# Altium PCB Main.PcbDoc
Units mm, origin at the board's own origin, x right, y up, seen from the top; angles counter-clockwise.
Board outline 100 x 75 mm, 2 copper layers (Top Layer, Bottom Layer); 107 components, 121 nets, 425 pads, 0 vias.
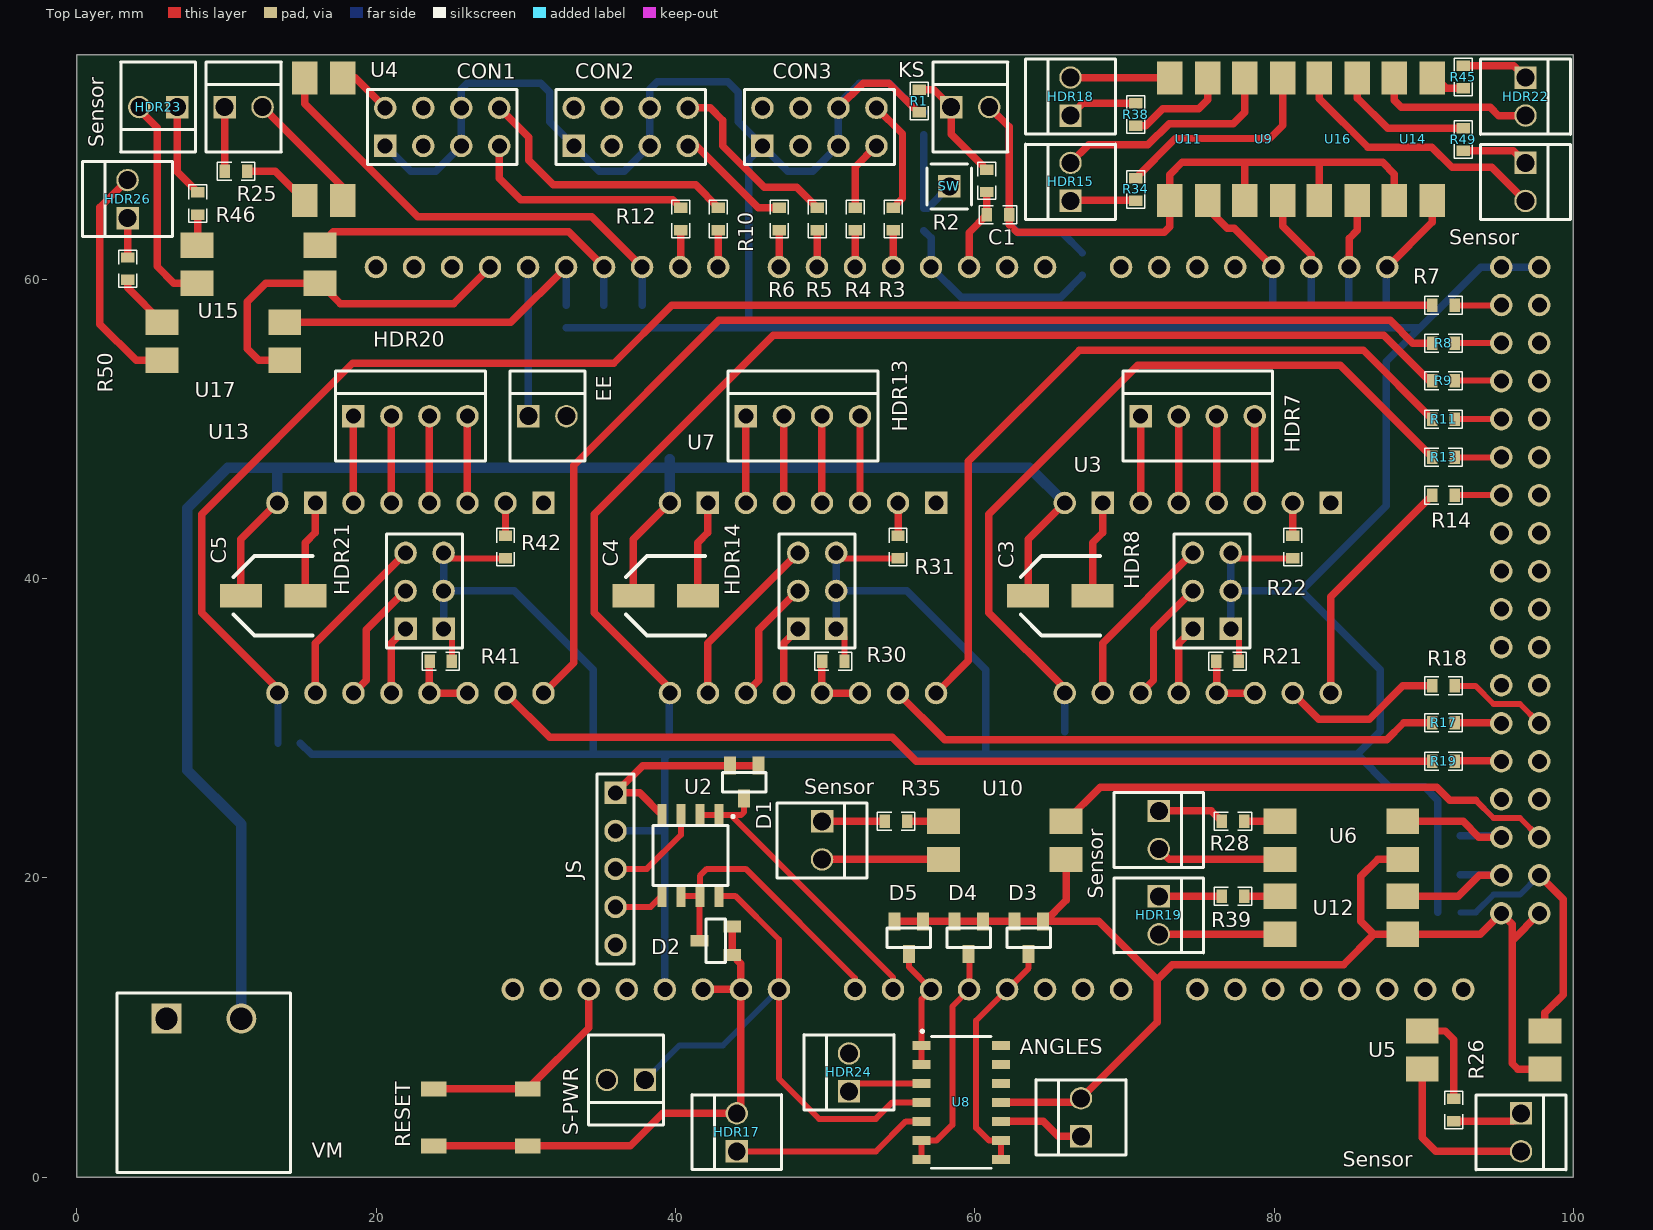
[diagram p0: Top Layer view]
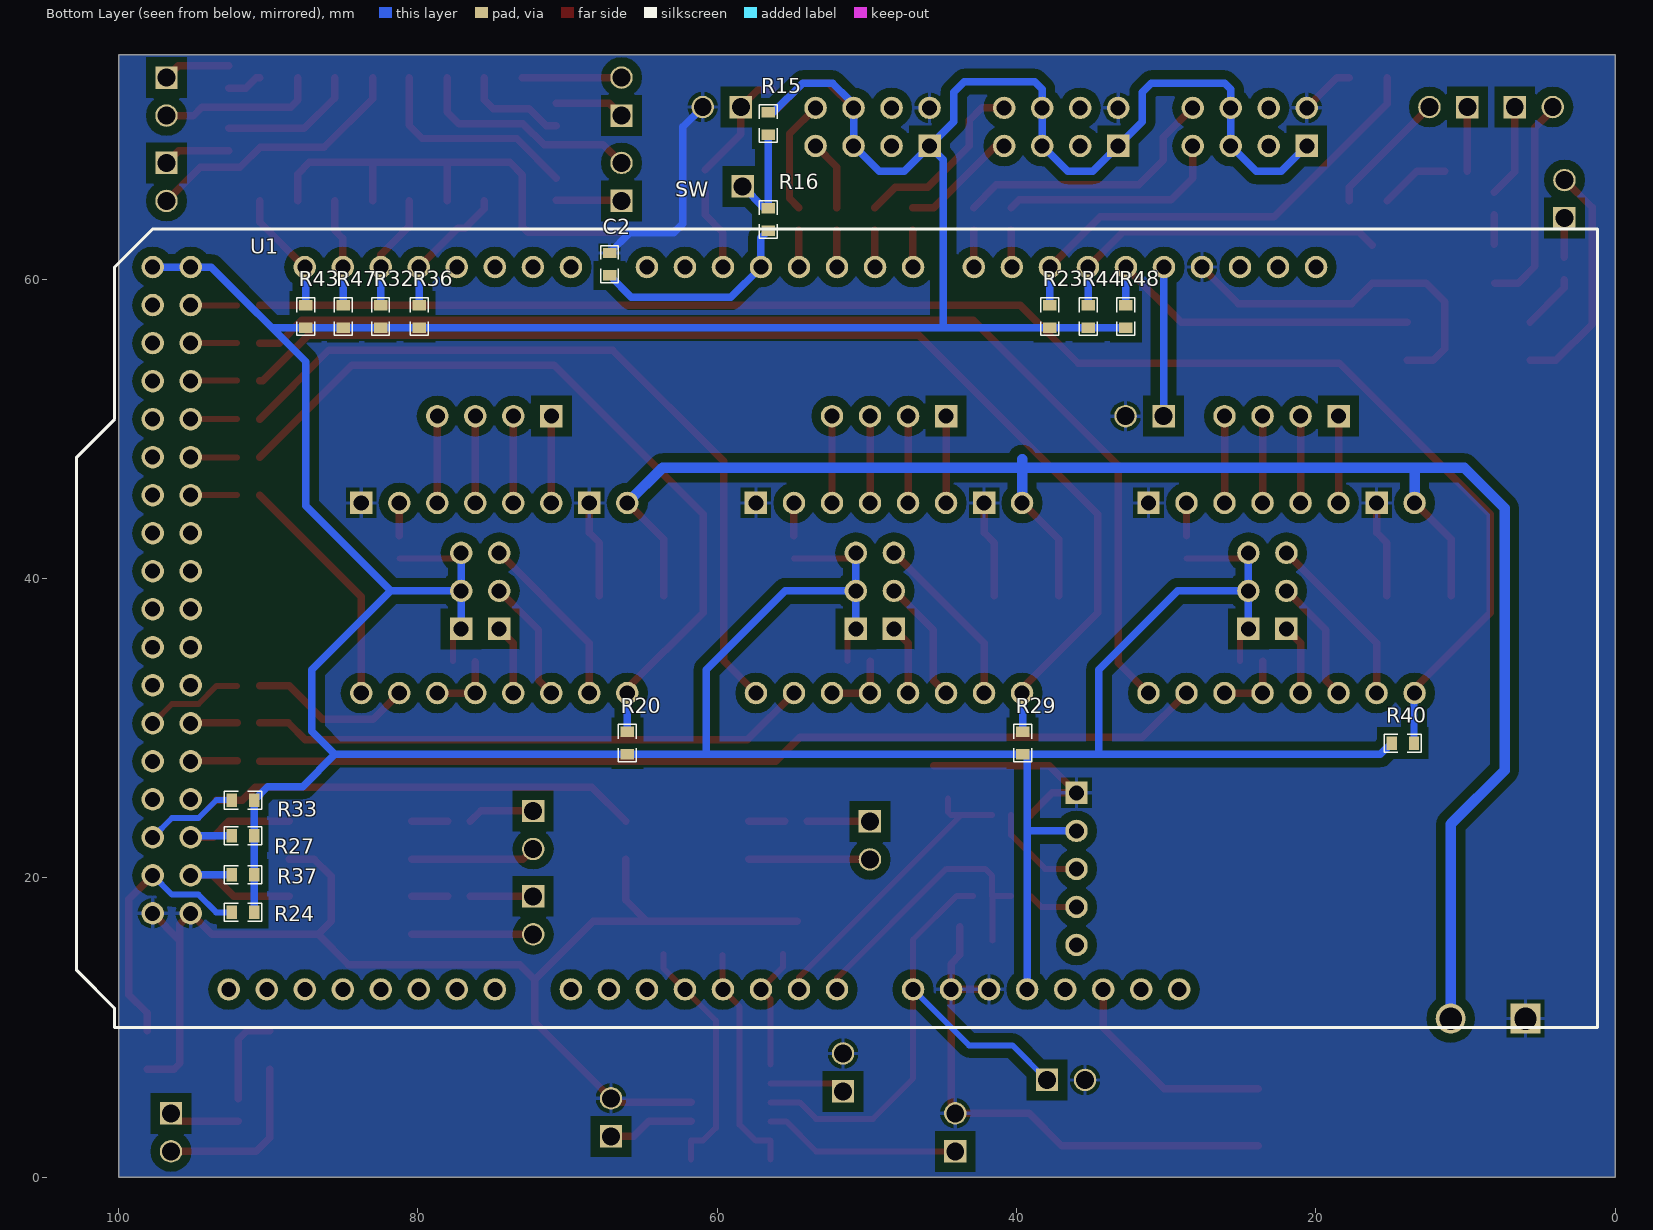
[diagram p1: Bottom Layer view, seen from below]

## Layer stack, top to bottom
Top Solder: solder mask 0.0102, Solder Resist, Dk 3.5
Top Layer: signal copper 0.0356
Dielectric 1: dielectric 0.32, FR-4, Dk 4.8
Bottom Layer: signal copper 0.0356
Bottom Solder: solder mask 0.0102, Solder Resist, Dk 3.5

## Board outline
0,0 100,0 100,75 0,75

## Design rules (kind name [scope] priority, off if disabled: settings)
Clearance [All] p1: gap=0.3 except(0.5: Arc-Poly; 0.6: Poly-Poly SMDPad-Poly Track-Poly Via-Poly Fill-Poly THPad-Poly)
MaxMinImpedance "Schematic Impedance Constraint_29" [InNet('STEP-STP3')] p1: minimum=40,00 maximum=50,00
MaxMinImpedance "Schematic Impedance Constraint_28" [InNet('STEP-STP2')] p2: minimum=40,00 maximum=50,00
MaxMinImpedance "Schematic Impedance Constraint_27" [InNet('STEP-STP1')] p3: minimum=40,00 maximum=50,00
MaxMinImpedance "Schematic Impedance Constraint_26" [InNet('RPWM-M3')] p4: minimum=40,00 maximum=50,00
MaxMinImpedance "Schematic Impedance Constraint_25" [InNet('RPWM-M2')] p5: minimum=40,00 maximum=50,00
MaxMinImpedance "Schematic Impedance Constraint_24" [InNet('RPWM-M1')] p6: minimum=40,00 maximum=50,00
MaxMinImpedance "Schematic Impedance Constraint_23" [InNet('LPWM-M3')] p7: minimum=40,00 maximum=50,00
MaxMinImpedance "Schematic Impedance Constraint_22" [InNet('LPWM-M2')] p8: minimum=40,00 maximum=50,00
MaxMinImpedance "Schematic Impedance Constraint_21" [InNet('LPWM-M1')] p9: minimum=40,00 maximum=50,00
MaxMinImpedance "Schematic Impedance Constraint_20" [InNet('EN-STP3')] p10: minimum=40,00 maximum=50,00
MaxMinImpedance "Schematic Impedance Constraint_19" [InNet('EN-STP2')] p11: minimum=40,00 maximum=50,00
MaxMinImpedance "Schematic Impedance Constraint_18" [InNet('EN-STP1')] p12: minimum=40,00 maximum=50,00
MaxMinImpedance "Schematic Impedance Constraint_17" [InNet('DIR-STP3')] p13: minimum=40,00 maximum=50,00
MaxMinImpedance "Schematic Impedance Constraint_16" [InNet('DIR-STP2')] p14: minimum=40,00 maximum=50,00
MaxMinImpedance "Schematic Impedance Constraint_15" [InNet('DIR-STP1')] p15: minimum=40,00 maximum=50,00
MaxMinImpedance "Schematic Impedance Constraint_14" [InNet('NetR7_1')] p16: minimum=0,000 maximum=2,000
MaxMinImpedance "Schematic Impedance Constraint_13" [InNet('NetR18_1')] p17: minimum=0,000 maximum=2,000
MaxMinImpedance "Schematic Impedance Constraint_12" [InNet('NetR8_1')] p18: minimum=0,000 maximum=2,000
MaxMinImpedance "Schematic Impedance Constraint_11" [InNet('NetR10_1')] p19: minimum=0,000 maximum=2,000
MaxMinImpedance "Schematic Impedance Constraint_10" [InNet('NetR12_1')] p20: minimum=0,000 maximum=2,000
MaxMinImpedance "Schematic Impedance Constraint_9" [InNet('NetR5_1')] p21: minimum=0,000 maximum=2,000
MaxMinImpedance "Schematic Impedance Constraint_8" [InNet('NetR9_1')] p22: minimum=0,000 maximum=2,000
MaxMinImpedance "Schematic Impedance Constraint_7" [InNet('NetR6_1')] p23: minimum=0,000 maximum=2,000
MaxMinImpedance "Schematic Impedance Constraint_6" [InNet('NetR17_1')] p24: minimum=0,000 maximum=2,000
MaxMinImpedance "Schematic Impedance Constraint_5" [InNet('NetR3_1')] p25: minimum=0,000 maximum=2,000
MaxMinImpedance "Schematic Impedance Constraint_4" [InNet('NetR11_1')] p26: minimum=0,000 maximum=2,000
MaxMinImpedance "Schematic Impedance Constraint_3" [InNet('NetR4_1')] p27: minimum=0,000 maximum=2,000
MaxMinImpedance "Schematic Impedance Constraint_2" [InNet('NetR13_1')] p28: minimum=0,000 maximum=2,000
MaxMinImpedance "Schematic Impedance Constraint_1" [InNet('NetR19_1')] p29: minimum=0,000 maximum=2,000
MaxMinImpedance "Schematic Impedance Constraint" [InNet('NetR14_1')] p30: minimum=0,000 maximum=2,000
PolygonConnect [All] p1: connectstyle=Relief reliefconductorwidth=0.254 reliefentries=4 polygonreliefangle="90 Angle" airgapwidth=0.254
RoutingVias [All] p1: holewidth=0.711 width=1.27 viastyle="Through Hole" minholewidth=0.711 minwidth=1.27 maxholewidth=0.711 maxwidth=1.27
SolderMaskExpansion [All] p1: expansion=0.102
UnpouredPolygon [All] p1: allowunpoured=FALSE
Width [All] p1: maxlimit=0.7 minlimit=0.4 preferedwidth=0.5 minimp=50.000000 maximp=50.000000 favimp=50.000000
29 further rules are at their usual default settings.

## Components (designator, comment, footprint, x,y, rotation, side; value= is the part's Value field where it differs from the comment)
ANGLES "Header 1x2" HEADER-1X2-KK 67.1,4 r90 top (schematic designator HDR11)
C1 "1uF" 0603 61.55,64.3 r0 top
C2 "1uF" 0603 67.2,61 r90 bottom
C3 "100uF" C-AL-SMD-C 65.72,38.85 r90 top
C4 "100uF" C-AL-SMD-C 39.35,38.85 r90 top
C5 "100uF" C-AL-SMD-C 13.125,38.85 r90 top
CON1 "BTS7960-Coonector" HEADER-2x4 24.425,70.175 r0 top
CON2 "BTS7960-Coonector" HEADER-2x4 37.025,70.175 r0 top
CON3 "BTS7960-Coonector" HEADER-2x4 49.625,70.175 r0 top
D1 "D. Zener - SOT23-3 2NC" SOT-23-3 44.6,26.4 r180 top
D2 "D. Zener - SOT23-3 2NC" SOT-23-3 42.7,15.8 r90 top
D3 "D. Zener - SOT23-3 2NC" SOT-23-3 63.6,16 r180 top
D4 "D. Zener - SOT23-3 2NC" SOT-23-3 59.6,16 r180 top
D5 "D. Zener - SOT23-3 2NC" SOT-23-3 55.6,16 r180 top
EE "Header 1x2" HEADER-1X2-KK 31.45,50.85 r0 top (schematic designator HDR2)
HDR7 "Header 1x4" Header-1x4-KK 74.895,50.85 r0 top
HDR8 "Header 2x3" Header-2x3-Male 74.57,39.175 r0 top
HDR13 "Header 1x4" Header-1x4-KK 48.525,50.85 r0 top
HDR14 "Header 2x3" Header-2x3-Male 48.2,39.175 r0 top
HDR15 "Header 1x2" HEADER-1X2-KK 66.4,66.5 r90 top
HDR17 "Header 1x2" HEADER-1X2-KK 44.1,3 r90 top
HDR18 "Header 1x2" HEADER-1X2-KK 66.4,72.2 r90 top
HDR19 "Header 1x2" HEADER-1X2-KK 72.3,17.5 r270 top
HDR20 "Header 1x4" Header-1x4-KK 22.3,50.85 r0 top
HDR21 "Header 2x3" Header-2x3-Male 21.975,39.175 r0 top
HDR22 "Header 1x2" HEADER-1X2-KK 96.8,72.2 r270 top
HDR23 "Header 1x2" HEADER-1X2-KK 5.45,71.5 r180 top
HDR24 "Header 1x2" HEADER-1X2-KK 51.6,7 r90 top
HDR26 "Header 1x2" HEADER-1X2-KK 3.4,65.35 r90 top
JS "Header 1x5" HEADER-1X5 36,20.6 r270 top (schematic designator HDR4)
KS "Header 1x2" HEADER-1X2-KK 59.7,71.5 r0 top (schematic designator HDR1)
R1 "10KR" 0603 56.3,71.9 r270 top
R2 "1KR" 0603 60.8,66.575 r270 top
R3 "22R" 0603 54.55,64.025 r90 top
R4 "22R" 0603 52.025,64.025 r90 top
R5 "22R" 0603 49.475,64.025 r90 top
R6 "22R" 0603 46.925,64.025 r90 top
R7 "22R" 0603 91.325,58.25 r180 top
R8 "22R" 0603 91.325,55.725 r180 top
R9 "22R" 0603 91.325,53.225 r180 top
R10 "22R" 0603 42.875,64.025 r90 top
R11 "22R" 0603 91.325,50.65 r180 top
R12 "22R" 0603 40.35,64.025 r90 top
R13 "22R" 0603 91.325,48.1 r180 top
R14 "22R" 0603 91.325,45.575 r180 top
R15 "10KR" 0603 56.6,70.4 r90 bottom
R16 "1KR" 0603 56.6,64 r270 bottom
R17 "22R" 0603 91.325,30.35 r180 top
R18 "22R" 0603 91.325,32.825 r180 top
R19 "22R" 0603 91.325,27.8 r180 top
R20 "1KR" 0603 66,29 r270 bottom
R21 "0R" 0603 76.895,34.475 r0 top
R22 "0R" 0603 81.245,42.1 r270 top
R23 "1KR" 0603 37.8,57.5 r270 bottom
R24 "1KR" 0603 91.7,17.7 r180 bottom
R25 "100R" 0603 10.65,67.2 r0 top
R26 "100R" 0603 92,4.5 r90 top
R27 "1KR" 0603 91.7,22.8 r180 bottom
R28 "100R" 0603 77.25,23.775 r0 top
R29 "1KR" 0603 39.6,29 r270 bottom
R30 "0R" 0603 50.55,34.475 r0 top
R31 "0R" 0603 54.875,42.1 r270 top
R32 "1KR" 0603 82.5,57.5 r270 bottom
R33 "1KR" 0603 91.7,25.2 r180 bottom
R34 "100R" 0603 70.75,66 r90 top
R35 "100R" 0603 54.75,23.775 r0 top
R36 "1KR" 0603 79.9,57.5 r270 bottom
R37 "1KR" 0603 91.7,20.2 r180 bottom
R38 "100R" 0603 70.75,71 r270 top
R39 "100R" 0603 77.25,18.775 r0 top
R40 "1KR" 0603 14.2,29 r0 bottom
R41 "0R" 0603 24.325,34.475 r0 top
R42 "0R" 0603 28.65,42.1 r270 top
R43 "1KR" 0603 87.5,57.5 r270 bottom
R44 "1KR" 0603 35.2,57.5 r270 bottom
R45 "100R" 0603 92.65,73.5 r270 top
R46 "100R" 0603 8.1,65.05 r270 top
R47 "1KR" 0603 85,57.5 r270 bottom
R48 "1KR" 0603 32.7,57.5 r270 bottom
R49 "100R" 0603 92.65,69.325 r90 top
R50 "100R" 0603 3.4,60.7 r270 top
RESET "Button" "TL 3342" 27,4 r180 top (schematic designator SW1)
S-PWR "Header 1x2" HEADER-1X2-KK 36.7,6.5 r180 top (schematic designator HDR6)
Sensor "Header 1x2" HEADER-1X2-KK 11.15,71.5 r0 top (schematic designator HDR9)
Sensor "Header 1x2" HEADER-1X2-KK 96.5,3 r270 top (schematic designator HDR10)
Sensor "Header 1x2" HEADER-1X2-KK 72.3,23.2 r270 top (schematic designator HDR12)
Sensor "Header 1x2" HEADER-1X2-KK 49.8,22.5 r270 top (schematic designator HDR16)
Sensor "Header 1x2" HEADER-1X2-KK 96.8,66.5 r270 top (schematic designator HDR25)
SW "Header 1x1" HEADER-1x1 58.3,66.2 r90 top (schematic designator HDR3)
U1 "ATMega2560" Arduino-Mega2560 1.2,63.35 r0 bottom
U2 "AmpOp-2u" SOIC-8 41,21.5 r180 top
U3 "DRV8825" DRV8825 74.9,38.7 r90 top
U4 "PC817" SOP-04 16.5,69.35 r90 top
U5 "PC817" SOP-04 94,8.5 r0 top
U6 "PC817" SOP-04 84.5,22.5 r0 top
U7 "DRV8825" DRV8825 48.525,38.7 r90 top
U8 "AmpOp-4u" SOIC-14 59.1,5 r270 top
U9 "PC817" SOP-04 79.3,69.35 r270 top
U10 "PC817" SOP-04 62,22.5 r0 top
U11 "PC817" SOP-04 74.3,69.35 r270 top
U12 "PC817" SOP-04 84.5,17.5 r0 top
U13 "DRV8825" DRV8825 22.3,38.7 r90 top
U14 "PC817" SOP-04 89.3,69.35 r270 top
U15 "PC817" SOP-04 12.15,61 r0 top
U16 "PC817" SOP-04 84.3,69.35 r270 top
U17 "PC817" SOP-04 9.8,55.85 r0 top
VM "Header 1x2" HEADER-1X2-BORNE-25-E1000 8.5,10.6 r0 top (schematic designator HDR5)

## Footprints (in the part's own frame and the unit in brackets; to place one, negate y for a bottom-side part, rotate by r counter-clockwise, add the part's x,y. Pads: shape width x height; smd on the part's side, far side on the other; paste and mask are expansions set on the pad)
0603 [mm]
  rect 0.7x0.9 smd: 1(-0.75,0) 2(0.75,0)
  silkscreen extent -1.25,-0.6 1.25,0.6, body extent -0.8,-0.43 0.8,0.43, height 0.87
Arduino-Mega2560 [mm]
  round 1.5 hole 1: 1(27.94,50.8) 2(30.48,50.8) 3(33.02,50.8) 4(35.56,50.8) 5(38.1,50.8) 6(40.64,50.8) 7(43.18,50.8) 8(45.72,50.8) 9(50.8,50.8) 10(53.34,50.8) 11(55.88,50.8) 12(58.42,50.8) 13(60.96,50.8) 14(63.5,50.8) 15(66.04,50.8) 16(68.58,50.8) 17(73.66,50.8) 18(76.2,50.8) 19(78.74,50.8) 20(81.28,50.8) 21(83.82,50.8) 22(86.36,50.8) 23(88.9,50.8) 24(91.44,50.8) 25(96.52,45.72) 26(93.98,45.72) 27(96.52,43.18) 28(93.98,43.18) 29(96.52,40.64) 30(93.98,40.64) 31(96.52,38.1) 32(93.98,38.1) 33(96.52,35.56) 34(93.98,35.56) 35(96.52,33.02) 36(93.98,33.02) 37(96.52,30.48) 38(93.98,30.48) 39(96.52,27.94) 40(93.98,27.94) 41(96.52,25.4) 42(93.98,25.4) 43(96.52,22.86) 44(93.98,22.86) 45(96.52,20.32) 46(93.98,20.32) 47(96.52,17.78) 48(93.98,17.78) 49(96.52,15.24) 50(93.98,15.24) 51(96.52,12.7) 52(93.98,12.7) 53(96.52,10.16) 54(93.98,10.16) 55(96.52,7.62) 56(93.98,7.62) 57(96.52,5.08) 58(93.98,5.08) 59(96.52,2.54) 60(93.98,2.54) 61(86.36,2.54) 62(83.82,2.54) 63(81.28,2.54) 64(78.74,2.54) 65(76.2,2.54) 66(73.66,2.54) 67(71.12,2.54) 68(68.58,2.54) 69(63.5,2.54) 70(60.96,2.54) 71(58.42,2.54) 72(55.88,2.54) 73(53.34,2.54) 74(50.8,2.54) 75(48.26,2.54) 76(45.72,2.54) 77(41.656,2.54) 78(39.116,2.54) 79(36.576,2.54) 80(34.036,2.54) 81(31.496,2.54) 82(28.956,2.54) 83(26.416,2.54) 84(23.876,2.54) 85(21.336,2.54) 86(18.796,2.54)
  silkscreen extent 0,0 101.6,53.34, body extent -6.48,0 101.47,53.34, height 15.2
C-AL-SMD-C [mm]
  rect 1.6x2.8 smd: 1(0,2.15) 2(0,-2.15)
  silkscreen extent -2.65,-2.65 2.65,2.65, body extent -2.65,-2.95 2.65,2.95, height 6.32
DRV8825 [mm]
  round 1.5 hole 1.02: 1(-6.35,8.89) 2(-6.35,6.35) 3(-6.35,3.81) 4(-6.35,1.27) 5(-6.35,-1.27) 6(-6.35,-3.81) 7(-6.35,-6.35) 8(-6.35,-8.89) 9(6.35,8.89) 11(6.35,3.81) 12(6.35,1.27) 13(6.35,-1.27) 14(6.35,-3.81) 15(6.35,-6.35)
  rect 1.5x1.5 hole 1.02: 10(6.35,6.35) 16(6.35,-8.89)
  body extent -7.62,-10.41 7.62,10.41, height 8.51
HEADER-1x1 [mm]
  rect 1.5x1.5 hole 1.2: 1(0,0)
  silkscreen extent -1.5,-1.5 1.5,1.5, body extent -1.27,-1.27 1.27,1.27, height 8.55
HEADER-1X2-BORNE-25-E1000 [mm]
  rect 2x2 hole 1.5: 1(-2.5,0)
  round 2 hole 1.5: 2(2.5,0)
  silkscreen extent -5.8,-10.3 5.8,1.7
HEADER-1X2-KK [mm]
  rect 1.5x1.5 hole 1.2: 1(-1.27,0)
  round 1.5 hole 1.2: 2(1.27,0)
  silkscreen extent -2.5,-3 2.52,3, body extent -2.46,-3.25 2.46,3.1, height 10.68
Header-1x4-KK [mm]
  rect 1.5x1.5 hole 1: 1(-3.81,0)
  round 1.5 hole 1: 2(-1.27,0) 3(1.27,0) 4(3.81,0)
  silkscreen extent -5,-3 5,3, body extent -5.08,-3.25 5.08,2.55, height 11.18
HEADER-1X5 [mm]
  rect 1.5x1.5 hole 1: 1(-5.08,0)
  round 1.5 hole 1: 2(-2.54,0) 3(0,0) 4(2.54,0) 5(5.08,0)
  silkscreen extent -6.35,-1.25 6.35,1.25, body extent -6.35,-1.25 6.35,1.29, height 8.9
Header-2x3-Male [mm]
  rect 1.5x1.5 hole 1: 1(0,-2.54) 4(2.54,-2.54)
  round 1.5 hole 1: 2(0,0) 3(0,2.54) 5(2.54,0) 6(2.54,2.54)
  silkscreen extent -1.27,-3.81 3.81,3.81, body extent -1.27,-3.81 3.81,3.81, height 8.61
HEADER-2x4 [mm]
  round 1.5 hole 1: 1(3.81,-1.27) 2(3.81,1.27) 3(1.27,-1.27) 4(1.27,1.27) 5(-1.27,-1.27) 6(-1.27,1.27) 8(-3.81,1.27)
  rect 1.5x1.5 hole 1: 7(-3.81,-1.27)
  silkscreen extent -5,-2.5 5,2.5, body extent -5.08,-2.54 5.08,2.54, height 8.9
SOIC-8 [mm]
  rect 0.6x1.5 smd: 1(-1.905,-2.7) 2(-0.635,-2.7) 3(0.635,-2.7) 4(1.905,-2.7) 5(1.905,2.7) 6(0.635,2.7) 7(-0.635,2.7) 8(-1.905,2.7)
  silkscreen extent -2.92,-2.67 2.5,2, body extent -2.42,-2.95 2.48,3.05, height 1.75
SOIC-14 [mm]
  rect 0.6x1.2 smd: 1(-3.81,-2.65) 2(-2.54,-2.65) 3(-1.27,-2.65) 4(0,-2.65) 5(1.27,-2.65) 6(2.54,-2.65) 7(3.81,-2.65) 8(3.81,2.65) 9(2.54,2.65) 10(1.27,2.65) 11(0,2.65) 12(-1.27,2.65) 13(-2.54,2.65) 14(-3.81,2.65)
  silkscreen extent -4.82,-2.67 4.4,2, body extent -4.32,-3.02 4.32,3.02, height 1.46
SOP-04 [mm]
  rect 2.2x1.7 smd: 1(-4.1,1.27) 2(-4.1,-1.27) 3(4.1,-1.27) 4(4.1,1.27)
  body extent -5,-2.29 5,2.29, height 3.86
SOT-23-3 [mm]
  rect 0.8x1.2 smd: 1(-0.95,-1.1) 2(0.95,-1.1) 3(0,1.1)
  silkscreen extent -1.45,-0.65 1.45,0.65, body extent -1.45,-1.2 1.45,1.2, height 1.02
"TL 3342" [mm] "Tactile Switch SMT"
  rect 1.7x1 smd: 1(-3.15,-1.9) 2(3.15,-1.9) 3(3.15,1.9) 4(-3.15,1.9)
  body extent -3.3,-2.5 3.3,2.5, height 1.46

## Part data
ANGLES EE HDR15 HDR17 HDR18 HDR19 HDR22 HDR23 HDR24 HDR26 KS S-PWR Sensor Sensor Sensor Sensor Sensor VM: "Header 1X2"
C1 C2: library part Capacitor-1, "Capacitor"
C3 C4 C5: library part Capacitor-2, "Capacitor"
CON1 CON2 CON3: library part BTS7960, "Connector for BTS7960 DC-Motor H Bridge"
D1 D2 D3 D4 D5: "Zener Diode SOT23 - 2NC"
JS: "Header 1x4"
R1 R2 R3 R4 R5 R6 R7 R8 R9 R10 R11 R12 R13 R14 R15 R16 R17 R18 R19 R20 R21 R22 R23 R24 R25 R26 R27 R28 R29 R30 R31 R32 R33 R34 R35 R36 R37 R38 R39 R40 R41 R42 R43 R44 R45 R46 R47 R48 R49 R50: library part Resistor-1, "Resistor"
RESET: "Common Push-Button"
U1: library part "Arduino Mega - ATMega2560", "Arduino Mega shield-like controller"
U2: "AmpOp Single Supply IC Rail-to-Rail with 2 units"
U3 U7 U13: "DRV8825 Driver for Stepper Motors"
U4 U5 U6 U9 U10 U11 U12 U14 U15 U16 U17: library part Optocoupler, "Optocoupler"
U8: "AmpOp Single Supply IC Rail-to-Rail with 4 units"

## Nets (pads, with @x,y where several pads share a name; then routed paths per layer and width w, separated by ;. In a path a pad name is that pad's centre, name@x,y a point inside that pad or via, vN(x,y) a via of type N, cw(c..) or ccw(c..) an arc to the next point about the centre after c; other vN are vias at no path point)
5V: CON1.3 CON1.4 CON1.7 CON2.3 CON2.4 CON2.7 CON3.3 CON3.4 CON3.7 HDR8.4 HDR8.5 HDR8.6 HDR14.4 HDR14.5 HDR14.6 HDR21.4 HDR21.5 HDR21.6 JS.2 R1.2 R15.2 R20.2 R21.2 R22.2 R23.2 R24.2 R27.2 R29.2 R30.2 R31.2 R32.2 R33.2 R36.2 R37.2 R40.2 R41.2 R42.2 R43.2 R44.2 R47.2 R48.2 U1.5 U1.59 U1.60 | length 357.9
  Top Layer w0.4: HDR21.6 24.88,41.35 R42.2 ; R41.2 HDR21.4@25.075,36.075 ; HDR14.4 51.3,36.075 R30.2 ; HDR14.6 51.105,41.35 R31.2 ; HDR8.4 77.645,36.1 R21.2 ; HDR8.6 77.475,41.35 R22.2
  Top Layer w0.5: CON3.4 52.55,73.1 54.272,73.1 56.222,71.15 R1.2
  Bottom Layer w0.4: R29.2@39.3,27.95 R29.2
  Bottom Layer w0.5: R40.2 15.7,28.25 34.5,28.25 ; CON1.7 22.32,67.2 23.99,67.2 CON1.3 CON1.4 25.695,72.695 26.1,73.1 31,73.1 31.6,72.5 31.6,70.52 CON2.7 34.92,67.2 36.59,67.2 CON2.3 CON2.4 38.295,72.695 38.8,73.2 43.5,73.2 44.2,72.5 44.2,70.52 CON3.7 ; HDR21.4 HDR21.5 ; HDR21.6 HDR21.5 ; R48.2 R44.2 R23.2 44.9,56.75 ; JS.2 39.26,23.14 ; U1.5 R29.2@39.3,27.95 ; HDR14.4 HDR14.5 ; HDR14.6 HDR14.5 ; R15.2 56.25,71.15 54.3,73.1 52.3,73.1 51.183,71.983 50.895,71.695 CON3.4 CON3.3 49.19,67.2 47.52,67.2 CON3.7 ; HDR8.4 HDR8.5 ; HDR8.6 HDR8.5 ; 89.75,56.75 R43.2 R47.2 R32.2 R36.2 44.9,56.75 ; R24.2 R37.2 R27.2 R33.2 90.05,26.1 87.695,26.1 85.545,28.25 ; U1.59 U1.60 93.81,60.81 87.5,54.5 87.5,44.855 81.82,39.175 ; HDR21.5 29.225,39.175 34.5,33.9 34.5,28.25 ; 34.5,28.25 R29.2 60.725,28.25 ; 44.9,56.75 44.9,67.99 CON3.7 ; HDR14.5 55.45,39.175 60.725,33.9 60.725,28.25 ; 60.725,28.25 R20.2 85.545,28.25 ; HDR8.5 81.82,39.175 ; 81.82,39.175 87.095,33.9 87.095,29.8 85.545,28.25
12V: S-PWR.1 U1.8 U2.8 U8.4 | length 37.1
  Top Layer w0.4: U2.8 44,18.8 46.92,15.88 U1.8 46.92,6.58 49.6,3.9 53.4,3.9 54.5,5 U8.4
  Bottom Layer w0.4: S-PWR.1 40.27,8.8 43.17,8.8 U1.8
DIR-STP1: R14.2 U3.8 | length 16
  Top Layer w0.5: U3.8 83.79,38.79 R14.2
DIR-STP2: R11.2 U7.8 | length 52.4
  Top Layer w0.5: U7.8 59.575,34.51 59.575,47.825 67,55.25 85.975,55.25 R11.2
DIR-STP3: R8.2 U13.8 | length 78.1
  Top Layer w0.5: U13.8 33.225,34.385 33.225,47.575 42.9,57.25 87.75,57.25 89.275,55.725 R8.2
EE: EE.1 U1.82 | length 10
  Bottom Layer w0.5: U1.82 30.18,60.786 EE.1
EN-STP1: R13.2 R20.1 U3.1 | length 52.9
  Top Layer w0.5: U3.1@66.005,32.35 66.005,32.67 60.95,37.725 60.95,44.3 70.9,54.25 84.425,54.25 R13.2
  Bottom Layer w0.5: R20.1 U3.1@66,32.34
EN-STP2: R9.2 R29.1 U7.1 | length 78.8
  Top Layer w0.5: U7.1@39.63,32.35 39.63,32.67 34.575,37.725 34.575,44.3 46.525,56.25 87.336,56.25 90.361,53.225 R9.2
  Bottom Layer w0.5: R29.1 U7.1@39.6,32.315
EN-STP3: R7.2 R40.1 U13.1 | length 105.4
  Top Layer w0.5: U13.1@13.405,32.35 13.405,32.67 8.35,37.725 8.35,44.3 18.45,54.4 35.9,54.4 39.75,58.25 R7.2
  Bottom Layer w0.5: R40.1 U13.1@13.45,32.31
GND: ANGLES.2 C1.2 C2.2 C3.2 C4.2 C5.2 CON1.8 CON2.8 CON3.8 D1.1 D1.2 D2.1 D2.2 D3.1 D3.2 D4.1 D4.2 D5.1 D5.2 EE.2 HDR17.2 HDR24.2 JS.1 KS.2 RESET.3 RESET.4 S-PWR.2 U1.6 U1.7 U1.25 U1.26 U1.83 U2.4 U3.10 U3.16 U4.3 U5.3 U6.3 U7.10 U7.16 U8.11 U9.3 U10.3 U11.3 U12.3 U13.10 U13.16 U14.3 U15.3 U16.3 U17.3 VM.1 | length 244.4
  Top Layer w0.5: U17.3 12.17,54.58 11.4,55.35 11.4,58.5 12.63,59.73 U15.3 17.605,58.375 25.181,58.375 U1.83 ; C5.2 15.275,42.4 15.95,43.075 U13.10 ; U4.3 18.61,73.45 CON1.8 ; RESET.3 RESET.4 37,2.1 39.17,4.27 HDR17.2 44.38,4.55 U1.7 ; U2.4 37.615,25.68 JS.1 37.82,27.5 D1.2 D1.1 ; C4.2 41.5,42.4 42.175,43.075 U7.10 ; U1.6 U1.7 ; D2.2 D2.1 44.38,14.27 U1.7 ; D5.2 D5.1 D4.2 D4.1 D3.2 D3.1 D3.1@64.7,17.1 ; KS.2 62.3,70.17 C1.2 62.3,63.65 62.825,63.125 72.65,63.125 73.03,63.505 U11.3 73.03,66.98 73.85,67.8 87.25,67.8 88.03,67.02 U14.3 ; U8.11 66.83,5 ANGLES.2 72.2,10.37 72.2,13.2 ; U10.3 66.1,18.5 D3.1@64.7,17.1 ; C3.2 67.87,42.4 68.545,43.075 U3.10@68.545,45.05 ; U9.3 78.03,67.755 ; U16.3 83.03,67.78 ; U6.3 86.93,21.23 85.8,20.1 85.8,17.1 86.67,16.23 ; U1.25 95.9,15.81 ; U5.3 96.27,7.23 95.9,7.6 95.9,15.81 ; D3.1@64.7,17.1 68.3,17.1 72.2,13.2 ; 72.2,13.2 73.2,14.2 84.64,14.2 86.67,16.23 ; 86.67,16.23 U12.3 93.78,16.23 U1.26 95.9,16.91 95.9,15.81
  Bottom Layer w0.5: KS.2 62.3,70.17 62.3,63.7 62.9,63.1 65.85,63.1 C2.2
JOINT1-SW1: R44.1 U1.80 U15.4 | length 22.9
  Top Layer w0.5: U15.4 17.155,63.175 32.871,63.175 U1.80
  Bottom Layer w0.5: R44.1 U1.80@35.2,60.774
JOINT1-SW2: R48.1 U1.81 U17.4 | length 23.3
  Top Layer w0.5: U17.4 29.006,57.12 U1.81 U1.81@32.277,60.81
  Bottom Layer w0.5: R48.1 U1.81@32.7,60.806
JOINT2: D5.3 U1.11 U8.1 U8.2 | length 8.2
  Top Layer w0.4: D5.3 55.6,14.05 57.08,12.57 57.08,12.53 56.45,11.9 U8.1 U8.2
JOINT2-SW1: R43.1 U1.61 U14.4 | length 8.2
  Top Layer w0.5: U1.61 90.57,63.82 U14.4
  Bottom Layer w0.5: R43.1 U1.61@87.5,60.75
JOINT2-SW2: R47.1 U1.62 U16.4 | length 7.2
  Top Layer w0.5: U1.62 85.02,62.72 85.57,63.27 U16.4
  Bottom Layer w0.5: R47.1 U1.62@85,60.79
JOINT3: D4.3 U1.12 U8.6 U8.7 | length 15.6
  Top Layer w0.4: U8.7 U8.6 57.46,2.46 58.5,3.5 58.5,11.41 59.62,12.53 U1.12 59.64,12.57 D4.3@59.64,14.86
JOINT3-SW1: R32.1 U1.63 U9.4 | length 7.8
  Top Layer w0.5: U9.4 80.57,63.53 82.48,61.62 U1.63
  Bottom Layer w0.5: R32.1 U1.63@82.5,60.79
JOINT3-SW2: R36.1 U1.64 U11.4 | length 9.1
  Top Layer w0.5: U11.4 75.57,64.699 76.869,63.4 77.35,63.4 U1.64
  Bottom Layer w0.5: R36.1 U1.64@79.9,60.77
JOINT4: D3.3 U1.13 U8.8 U8.9 | length 16.3
  Top Layer w0.4: U8.8 U8.9 60.94,2.46 60.1,3.3 60.1,10.47 63.6,13.97 D3.3
JOINT4-SW1: R23.1 U1.79 U4.4 | length 31.3
  Top Layer w0.5: U4.4 15.23,71.729 22.784,64.175 34.411,64.175 U1.79
  Bottom Layer w0.5: R23.1 U1.79@37.8,60.786
JOINT4-SW2: R27.1 U1.30 U6.4 | length 9.7
  Top Layer w0.5: U6.4 92.63,23.77 93.69,22.71 U1.30
  Bottom Layer w0.5: R27.1 U1.30@95.09,22.8
JOINT5-SW1: R33.1 U1.29 U10.4 | length 40.2
  Top Layer w0.4: 93.483,25.18 94.662,24 96.43,24 U1.29
  Top Layer w0.5: U10.4 68.38,26.05 90.875,26.05 91.745,25.18 93.483,25.18
  Bottom Layer w0.4: R33.1 93.462,25.2 94.662,24 96.43,24 U1.29
JOINT5-SW2: R37.1 U1.28 U12.4 | length 9.9
  Top Layer w0.5: U12.4 92.32,18.77 93.72,20.17 U1.28
  Bottom Layer w0.5: R37.1 U1.28@95.15,20.2
JOINT6-SW1: R24.1 U1.27 U5.4 | length 17.9
  Top Layer w0.5: U1.27 99.325,18.565 99.325,12.2 98.1,10.975 U5.4
  Bottom Layer w0.4: R24.1 93.482,17.7 94.662,18.88 96.43,18.88 U1.27
JS-X: D1.3 U1.10 U2.1 U2.2 | length 20.1
  Top Layer w0.4: U2.2 U2.1@42.89,24.2 ; U2.1 43.7,24.2 ; D1.3 44.6,24.4 44.4,24.2 43.7,24.2 ; U1.10 54.54,13.36 43.7,24.2
JS-Y: D2.3 U1.9 U2.6 U2.7 | length 19.9
  Top Layer w0.4: U2.6 U2.7 41.635,20.135 42.1,20.6 44.7,20.6 52,13.3 U1.9 ; D2.3 U2.7@41.6,18.765
KILL-SWITCH: C1.1 R2.2 U1.71 | length 5.5
  Top Layer w0.5: U1.71 59.62,63.12 C1.1 R2.2
LPWM-M1: CON1.2 R10.2 | length 18.3
  Top Layer w0.5: CON1.2 30.2,69.48 30.2,67.95 31.85,66.3 41.35,66.3 R10.2
LPWM-M2: CON2.2 R5.2 | length 12.4
  Top Layer w0.5: CON2.2 42.33,71.445 43.15,70.625 43.15,68.925 45.925,66.15 48.1,66.15 R5.2
LPWM-M3: CON3.2 R3.2 | length 7.6
  Top Layer w0.5: CON3.2 55.175,69.705 55.175,65.4 R3.2
NetHDR1_1: KS.1 R1.1 R2.1 | length 7.8
  Top Layer w0.5: R1.1 57.28,72.65 KS.1 58.43,69.695 R2.1
NetHDR7_1: HDR7.1 U3.11 | length 5.8
  Top Layer w0.5: U3.11@71.085,45.05 HDR7.1
NetHDR7_2: HDR7.2 U3.12 | length 5.8
  Top Layer w0.5: U3.12@73.625,45.05 HDR7.2
NetHDR7_3: HDR7.3 U3.13 | length 5.8
  Top Layer w0.5: U3.13@76.165,45.05 HDR7.3
NetHDR7_4: HDR7.4 U3.14 | length 5.8
  Top Layer w0.5: U3.14@78.705,45.05 HDR7.4
NetHDR8_1: HDR8.3 U3.2 | length 11.9
  Top Layer w0.5: U3.2@68.545,32.35 68.545,35.69 HDR8.3
NetHDR8_2: HDR8.2 U3.3 | length 8.3
  Top Layer w0.5: U3.3@71.085,32.35 71.945,33.21 71.945,36.571 HDR8.2@74.56,39.185
NetHDR8_3: HDR8.1 U3.4 | length 4.7
  Top Layer w0.5: U3.4@73.625,32.35 73.625,35.69 HDR8.1
NetHDR9_1: R25.1 Sensor.1@9.88,71.5 | length 4.3
  Top Layer w0.5: R25.1 Sensor.1@9.9,71.48
NetHDR9_2: Sensor.2@12.42,71.5 U4.2 | length 8.5
  Top Layer w0.5: Sensor.2@12.42,71.5 17.77,66.15 U4.2
NetHDR10_1: R26.1 Sensor.1@96.5,4.27 | length 4.7
  Top Layer w0.5: R26.1 95.98,3.75 Sensor.1@96.5,4.27
NetHDR10_2: Sensor.2@96.5,1.73 U5.2 | length 11.6
  Top Layer w0.5: U5.2 89.9,2.625 90.795,1.73 Sensor.2@96.5,1.73
NetHDR11_1: ANGLES.1 U8.10 | length 5.8
  Top Layer w0.5: U8.10 64.57,3.73 65.57,2.73 ANGLES.1
NetHDR12_1: R28.1 Sensor.1@72.3,24.47 | length 4.5
  Top Layer w0.5: Sensor.1@72.3,24.47 75.805,24.47 R28.1
NetHDR12_2: Sensor.2@72.3,21.93 U6.2 | length 8.4
  Top Layer w0.5: Sensor.2@72.3,21.93 73,21.23 U6.2
NetHDR13_1: HDR13.1 U7.11 | length 5.8
  Top Layer w0.5: U7.11 HDR13.1
NetHDR13_2: HDR13.2 U7.12 | length 5.8
  Top Layer w0.5: U7.12 HDR13.2
NetHDR13_3: HDR13.3 U7.13 | length 5.8
  Top Layer w0.5: U7.13 HDR13.3
NetHDR13_4: HDR13.4 U7.14 | length 5.8
  Top Layer w0.5: U7.14 HDR13.4
NetHDR14_1: HDR14.3 U7.2 | length 11.9
  Top Layer w0.5: U7.2 42.175,35.69 HDR14.3
NetHDR14_2: HDR14.2 U7.3 | length 8.3
  Top Layer w0.5: U7.3 45.575,33.21 45.575,36.571 HDR14.2@48.19,39.185
NetHDR14_3: HDR14.1 U7.4 | length 4.7
  Top Layer w0.5: U7.4 47.255,35.69 HDR14.1
NetHDR15_1: HDR15.1 R34.1 | length 4.3
  Top Layer w0.5: HDR15.1@66.445,65.275 R34.1@70.75,65.275
NetHDR15_2: HDR15.2 U9.2 | length 15.3
  Top Layer w0.5: HDR15.2 67.605,68.975 71.561,68.975 72.986,70.4 77.275,70.4 78.03,71.155 U9.2
NetHDR16_1: R35.1 Sensor.1@49.8,23.77 | length 4.2
  Top Layer w0.5: Sensor.1@49.8,23.77 R35.1@53.995,23.77
NetHDR16_2: Sensor.2@49.8,21.23 U10.2 | length 8.1
  Top Layer w0.5: Sensor.2@49.8,21.23 U10.2
NetHDR17_1: HDR17.1 U8.5 | length 13.2
  Top Layer w0.4: HDR17.1 53.403,1.73 55.403,3.73 U8.5
NetHDR18_1: HDR18.1 R38.1 | length 4.7
  Top Layer w0.5: HDR18.1 67.22,71.75 R38.1
NetHDR18_2: HDR18.2 U11.2 | length 6.6
  Top Layer w0.5: HDR18.2 73.01,73.47 U11.2
NetHDR19_1: HDR19.1 R39.1 | length 4.2
  Top Layer w0.5: HDR19.1@72.305,18.775 R39.1
NetHDR19_2: HDR19.2 U12.2 | length 8.1
  Top Layer w0.5: HDR19.2 U12.2
NetHDR20_1: HDR20.1 U13.11 | length 5.8
  Top Layer w0.5: U13.11 HDR20.1
NetHDR20_2: HDR20.2 U13.12 | length 5.8
  Top Layer w0.5: U13.12 HDR20.2
NetHDR20_3: HDR20.3 U13.13 | length 5.8
  Top Layer w0.5: U13.13 HDR20.3
NetHDR20_4: HDR20.4 U13.14 | length 5.8
  Top Layer w0.5: U13.14 HDR20.4
NetHDR21_1: HDR21.3 U13.2 | length 11.9
  Top Layer w0.5: U13.2 15.95,35.69 HDR21.3
NetHDR21_2: HDR21.2 U13.3 | length 8.3
  Top Layer w0.5: U13.3 19.35,33.21 19.35,36.571 HDR21.2@21.965,39.185
NetHDR21_3: HDR21.1 U13.4 | length 4.7
  Top Layer w0.5: U13.4 21.03,35.69 HDR21.1
NetHDR22_1: HDR22.1 R45.1 | length 4.5
  Top Layer w0.5: R45.1 96.02,74.25 HDR22.1
NetHDR22_2: HDR22.2 U14.2 | length 10.7
  Top Layer w0.5: U14.2 88.03,71.945 88.5,71.475 94.45,71.475 94.995,70.93 HDR22.2
NetHDR23_1: HDR23.1 R46.1 | length 6.3
  Top Layer w0.5: HDR23.1 6.72,67.18 R46.1
NetHDR23_2: HDR23.2 U15.2 | length 14.3
  Top Layer w0.5: HDR23.2 4.18,71.324 5.375,70.129 5.375,60.85 6.495,59.73 U15.2
NetHDR24_1: HDR24.1 U8.3 | length 5.1
  Top Layer w0.4: HDR24.1 52.14,6.27 U8.3
NetHDR25_1: R49.1 Sensor.1@96.8,67.77 | length 4.5
  Top Layer w0.5: R49.1 95.995,68.575 Sensor.1@96.8,67.77
NetHDR25_2: Sensor.2@96.8,65.23 U16.2 | length 18
  Top Layer w0.5: U16.2 83.03,72.07 86.275,68.825 90.539,68.825 91.889,67.475 94.534,67.475 96.779,65.23 Sensor.2@96.8,65.23
NetHDR26_1: HDR26.1 R50.1 | length 2.6
  Top Layer w0.5: R50.1 HDR26.1
NetHDR26_2: HDR26.2 U17.2 | length 15.6
  Top Layer w0.5: HDR26.2 3.379,66.62 1.55,64.791 1.55,57 3.97,54.58 U17.2
NetR3_1: R3.1 U1.73 | length 2.5
  Top Layer w0.5: U1.73@54.55,60.82 R3.1
NetR4_1: R4.1 U1.74 | length 2.4
  Top Layer w0.5: U1.74@52.025,60.835 R4.1
NetR5_1: R5.1 U1.75 | length 2.4
  Top Layer w0.5: U1.75@49.475,60.825 R5.1
NetR6_1: R6.1 U1.76 | length 2.5
  Top Layer w0.5: U1.76@46.925,60.815 R6.1
NetR7_1: R7.1 U1.58 | length 3.1
  Top Layer w0.4: R7.1 U1.58@95.16,58.25
NetR8_1: R8.1 U1.56 | length 3.1
  Top Layer w0.4: R8.1 U1.56@95.175,55.725
NetR9_1: R9.1 U1.54 | length 3.1
  Top Layer w0.4: R9.1 U1.54@95.145,53.225
NetR10_1: R10.1 U1.77 | length 2.4
  Top Layer w0.5: U1.77@42.875,60.829 R10.1
NetR11_1: R11.1 U1.52 | length 3.1
  Top Layer w0.4: R11.1 U1.52
NetR12_1: R12.1 U1.78 | length 2.4
  Top Layer w0.5: U1.78@40.35,60.844 R12.1
NetR13_1: R13.1 U1.50 | length 3.1
  Top Layer w0.4: R13.1 U1.50@95.17,48.1
NetR14_1: R14.1 U1.48 | length 3.1
  Top Layer w0.4: R14.1 U1.48@95.175,45.575
NetR17_1: R17.1 U1.36 | length 3.1
  Top Layer w0.5: R17.1 U1.36@95.16,30.35
NetR18_1: R18.1 U1.35 | length 6.7
  Top Layer w0.4: R18.1 93.457,32.825 94.662,31.62 96.43,31.62 U1.35
NetR19_1: R19.1 U1.34 | length 3.1
  Top Layer w0.5: R19.1@92.075,27.81 U1.34@95.18,27.81
NetR21_1: R21.1 U3.5 U3.6 | length 4.6
  Top Layer w0.5: R21.1@76.165,34.455 76.165,32.35 U3.6@78.705,32.35
NetR22_1: R22.1 U3.15 | length 2.2
  Top Layer w0.5: R22.1 U3.15@81.245,45.05
NetR25_2: R25.2 U4.1 | length 4.6
  Top Layer w0.5: R25.2 13.28,67.2 U4.1
NetR26_2: R26.2 U5.1 | length 6.3
  Top Layer w0.5: U5.1 91.43,9.77 92,9.2 R26.2
NetR28_2: R28.2 U6.1 | length 2.4
  Top Layer w0.5: R28.2@78.005,23.77 U6.1
NetR30_1: R30.1 U7.5 U7.6 | length 4.7
  Top Layer w0.5: R30.1@49.795,34.47 U7.5 U7.6
NetR31_1: R31.1 U7.15 | length 2.2
  Top Layer w0.5: R31.1 U7.15
NetR34_2: R34.2 U9.1 | length 14.5
  Top Layer w0.5: R34.2 73.4,69.4 79.7,69.4 80.57,70.27 U9.1
NetR35_2: R35.2 U10.1 | length 2.4
  Top Layer w0.5: R35.2 U10.1@57.895,23.775
NetR38_2: R38.2 U11.1 | length 7
  Top Layer w0.5: R38.2 71.422,70.25 72.572,71.4 74.975,71.4 75.57,71.995 U11.1
NetR39_2: R39.2 U12.1 | length 2.4
  Top Layer w0.5: R39.2@78.005,18.77 U12.1
NetR41_1: R41.1 U13.5 U13.6 | length 4.7
  Top Layer w0.5: R41.1@23.57,34.475 U13.5 U13.6
NetR42_1: R42.1 U13.15 | length 2.2
  Top Layer w0.5: R42.1 U13.15
NetR45_2: R45.2 U14.1 | length 2.4
  Top Layer w0.5: U14.1 90.8,73.45 91.5,72.75 R45.2
NetR46_2: R46.2 U15.1 | length 2
  Top Layer w0.5: U15.1@8.1,62.32 R46.2
NetR49_2: R49.2 U16.1 | length 9.3
  Top Layer w0.5: U16.1 85.57,72.105 87.6,70.075 R49.2
NetR50_2: R50.2 U17.1 | length 3.8
  Top Layer w0.5: R50.2 3.4,59.42 U17.1
RESET: RESET.1 RESET.2 U1.3 | length 14.6
  Top Layer w0.5: RESET.2 RESET.1 34.22,9.97 U1.3
RPWM-M1: CON1.1 R12.2 | length 15.1
  Top Layer w0.5: CON1.1 28.235,66.74 29.675,65.3 39.825,65.3 R12.2
RPWM-M2: CON2.1 R6.2 | length 7.8
  Top Layer w0.5: CON2.1 41.395,68.905 45.525,64.775 R6.2
RPWM-M3: CON3.1 R4.2 | length 4.7
  Top Layer w0.5: R4.2 52.025,67.495 CON3.1
STEP-STP1: R18.2 U3.7 | length 11
  Top Layer w0.5: U3.7 83,30.6 86.375,30.6 88.6,32.825 R18.2
STEP-STP2: R17.2 U7.7 | length 37.5
  Top Layer w0.5: U7.7 58,29.225 87.525,29.225 88.65,30.35 R17.2
STEP-STP3: R19.2 U13.7 | length 63.8
  Top Layer w0.5: U13.7 31.6,29.4 54.5,29.4 56.1,27.8 R19.2
SW: C2.1 R16.2 U1.72 | length 14.2
  Bottom Layer w0.5: R16.2 57.08,62.77 U1.72 59.09,58.8 65.75,58.8 C2.1
SW_S: R15.1 R16.1 SW.1 | length 7.2
  Bottom Layer w0.5: R15.1 R16.1 56.85,64.75 SW.1
VM: C3.1 C4.1 C5.1 U3.9 U7.9 U13.9 VM.2 | length 123.2
  Top Layer w0.5: C5.1 10.975,42.615 U13.9 ; C4.1 37.2,42.615 U7.9 ; C3.1 63.57,42.615 U3.9@66.005,45.05
  Bottom Layer w0.7: VM.2 11,23.6 7.4,27.2 7.4,44.7 10.1,47.4 63.66,47.4 U3.9 ; U13.9 13.41,47.4 ; U7.9 39.635,47.965
VRX: JS.3 U2.3 | length 6.6
  Top Layer w0.4: JS.3 38.1,20.6 40.365,22.865 U2.3
VRY: JS.4 U2.5 | length 3.4
  Top Layer w0.4: JS.4 38.355,18.06 U2.5
pads on no net: CON1.5 CON1.6 CON2.5 CON2.6 CON3.5 CON3.6 JS.5 U1.1 U1.2 U1.4 U1.14 U1.15 U1.16 U1.17 U1.18 U1.19 U1.20 U1.21 U1.22 U1.23 U1.24 U1.31 U1.32 U1.33 U1.37 U1.38 U1.39 U1.40 U1.41 U1.42 U1.43 U1.44 U1.45 U1.46 U1.47 U1.49 U1.51 U1.53 U1.55 U1.57 U1.65 U1.66 U1.67 U1.68 U1.69 U1.70 U1.84 U1.85 U1.86 U8.12 U8.13 U8.14

## Polygon pours and split planes (outlines as drawn)
GND on Bottom Layer "GND" (solid, remove dead copper, pour order 4): 0,0 100,0 100,75 0,75